# Altium PCB 3 motors 1 board.PcbDocFinal.PcbDoc (continued)
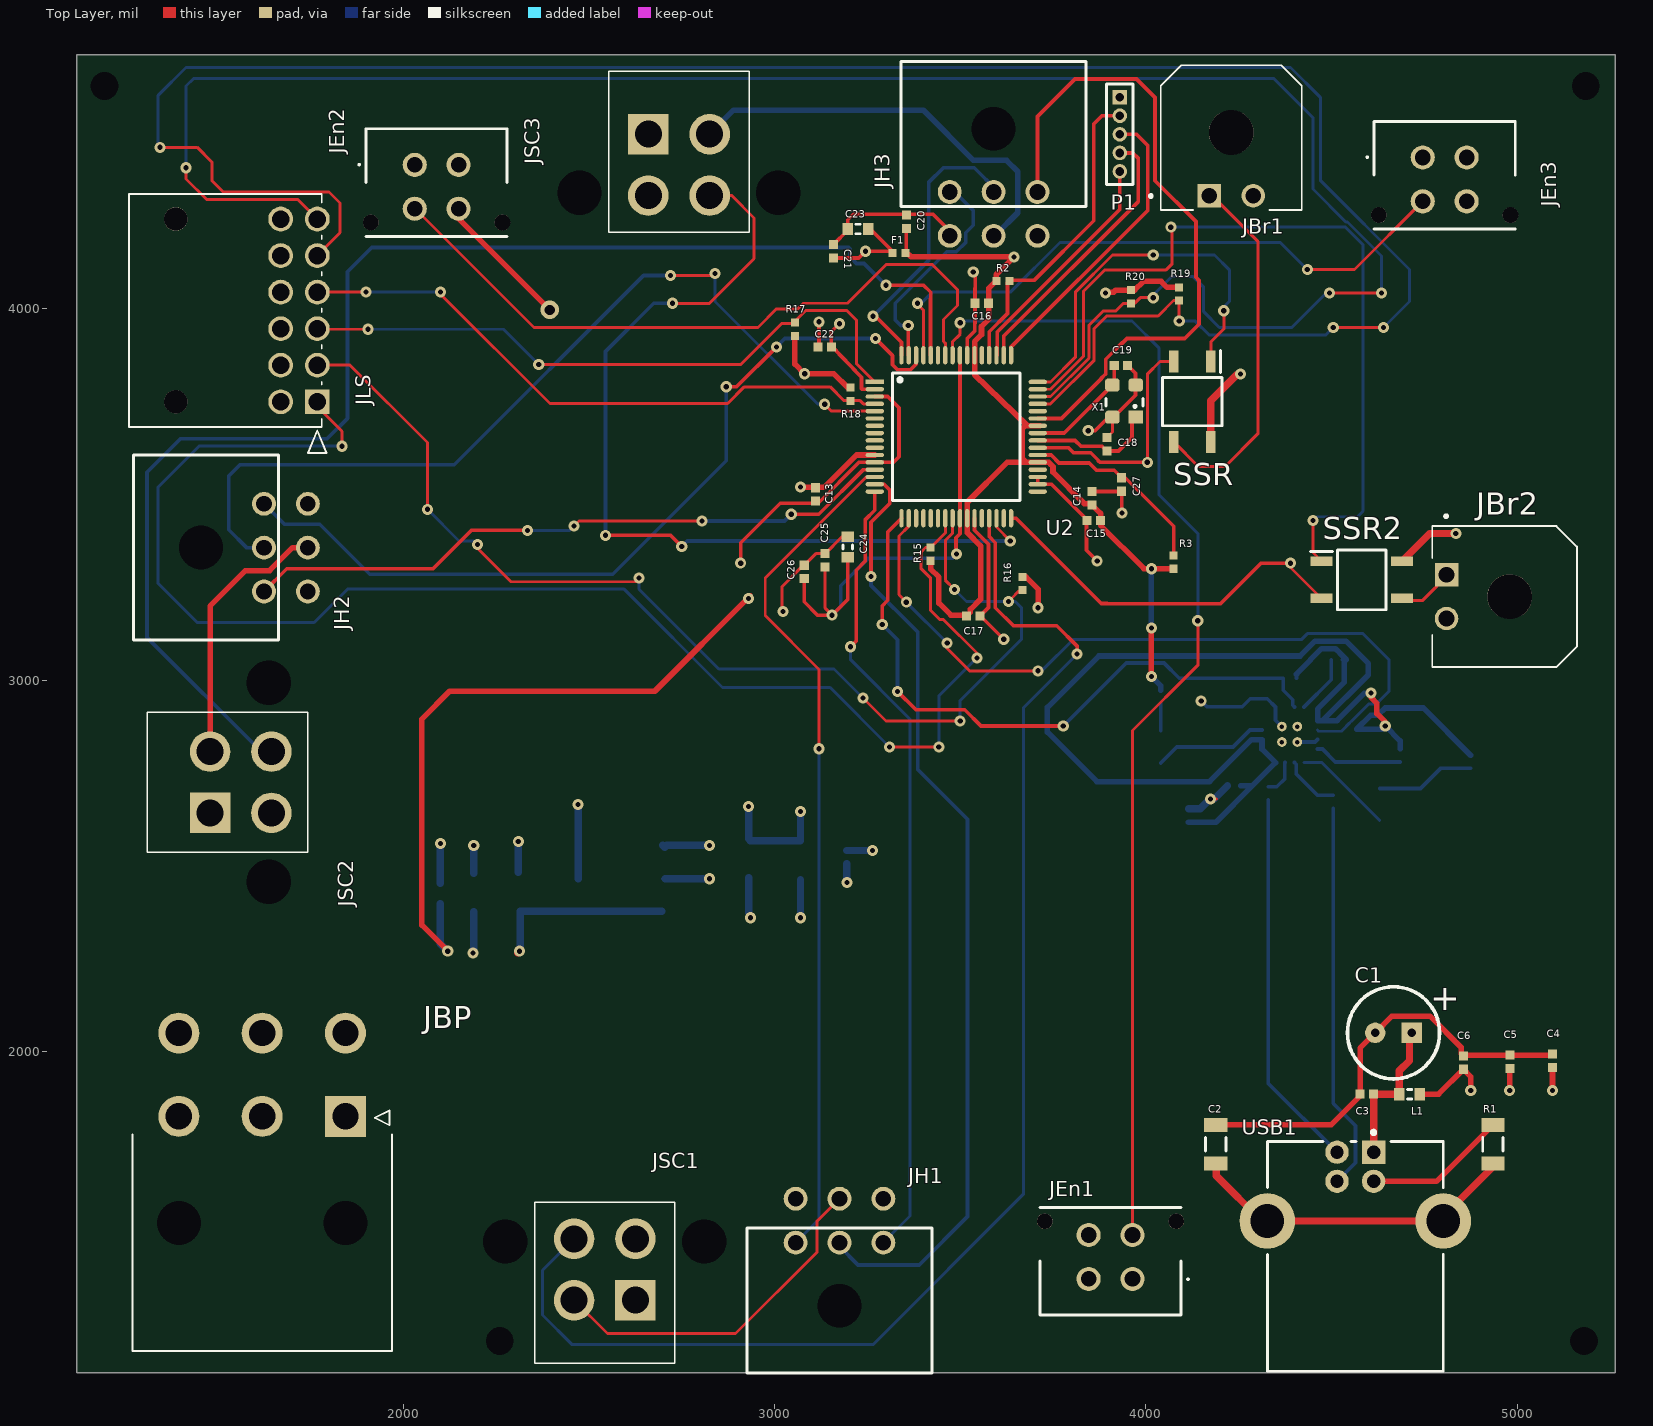
[diagram p0: Top Layer view]
## Part data (continued)
R13 R14: library part 120_1%_0402, "RES SMD 120 OHM 1% 1/10W 0402", Manufacturer="Panasonic Electronic Components", Manufacturer Part Number=ERJ-2RKF1200X, Operating Temperature="-55°C ~ 155°C", Package / Case="0402 (1005 Metric)", Power (Watts)="0.1W, 1/10W", Supplier Device Package=0402, Supplier Part Number 1=P120LCT-ND, Temperature Coefficient=±100ppm/°C, Tolerance=±1%, Category=Resistors, ComponentLink1Description=http://industrial.panasonic.com/www-cgi/jvcr13pz.cgi?E+PZ+3+AOA0002+ERJ2RKF1200X+7+WW, ComponentLink1URL=http://industrial.panasonic.com/www-cgi/jvcr13pz.cgi?E+PZ+3+AOA0002+ERJ2RKF1200X+7+WW, Composition="Thick Film", Features="Automotive AEC-Q200", Height="0.016\" (0.40mm)", Number of Terminations=2, Packaging="Cut Tape (CT)", Pricing 1="1=0.14, 50=0.0282, 100=0.0215, 250=0.01592, 500=0.01176, 1000=0.00784, 5000=0.00551 (CAD)", Resistance (Ohms)=120, RoHS="RoHS Compliant", Size / Dimension="0.039\" L x 0.020\" W (1.00mm x 0.50mm)", Stock 1=184236, Supplier 1=Digi-Key
R15 R16 R17 R18 R19 R20: library part 10k_1%_0402, "RES SMD 10K OHM 1% 1/10W 0402", Manufacturer="Panasonic Electronic Components", Manufacturer Part Number=ERJ-2RKF1002X, Operating Temperature="-55°C ~ 155°C", Package / Case="0402 (1005 Metric)", Power (Watts)="0.1W, 1/10W", Resistance (Ohms)=10k, Supplier Device Package=0402, Supplier Part Number 1=P10.0KLCT-ND, Temperature Coefficient=±100ppm/°C, Tolerance=±1%, Category=Resistors, ComponentLink1Description=http://industrial.panasonic.com/www-cgi/jvcr13pz.cgi?E+PZ+3+AOA0002+ERJ2RKF1002X+7+WW, ComponentLink1URL=http://industrial.panasonic.com/www-cgi/jvcr13pz.cgi?E+PZ+3+AOA0002+ERJ2RKF1002X+7+WW, Composition="Thick Film", Features="Automotive AEC-Q200", Height="0.016\" (0.40mm)", Number of Terminations=2, Packaging="Cut Tape (CT)", Pricing 1="1=0.14, 50=0.0282, 100=0.0215, 250=0.01592, 500=0.01176, 1000=0.00784, 5000=0.00551 (CAD)", RoHS="RoHS Compliant", Size / Dimension="0.039\" L x 0.020\" W (1.00mm x 0.50mm)", Stock 1=5818216, Supplier 1=Digi-Key
SSR SSR2: "Relay or Contactor", Manufacturer_Name="IXYS SEMICONDUCTOR", Mouser Part Number=849-CPC1017NTR, Arrow Part Number=CPC1017NTR, Arrow Price/Stock=https://www.arrow.com/en/products/cpc1017ntr/ixys, Datasheet Link=http://www.ixysic.com/home/pdfs.nsf/www/CPC1017N.pdf/$file/CPC1017N.pdf, Height=2.159mm, Manufacturer_Part_Number=CPC1017NTR, Mouser Price/Stock=https://www.mouser.co.uk/ProductDetail/IXYS-Integrated-Circuits/CPC1017NTR?qs=h2iAtNzNjMRlYN6IF%252Bl9JA%3D%3D
U1: "500 mA, Low Voltage, Low Quiescent Current LDO Regulator", Current - Limit (Min)=-, Current - Output=500mA, Manufacturer="Microchip Technology", Operating Temperature="-40°C ~ 125°C", Package / Case="TO-261-4, TO-261AA", Supplier Device Package=SOT-223-3, Supplier Part Number 1=MCP1825S-3302E/DB-ND, Voltage - Dropout (Typical)="0.21V @ 500mA", Voltage - Input="Up to 6V", Voltage - Output=3.3V, Category="Integrated Circuits (ICs)", ComponentLink1Description=http://www.microchip.com/mymicrochip/filehandler.aspx?ddocname=en531698, ComponentLink1URL=http://www.microchip.com/mymicrochip/filehandler.aspx?ddocname=en531698, Manufacturer Part Number=MCP1825S-3302E/DB, Mounting Type="Surface Mount", Number of Regulators=1, Packaging=Tube, Pricing 1="1=0.61, 10=0.51, 25=0.43, 100=0.39 (USD)", Regulator Topology="Positive Fixed", RoHS="RoHS Compliant", Stock 1=5172, Supplier 1=Digi-Key
U2: "Tiva TM4C123GH6PM Microcontroller ARM Cortex 80 MHz FPU", Supplier Part Number 1=296-35848-ND, Supplier 1=Digi-Key
U3: library part FT230XQ-R, "IC USB SERIAL BASIC UART 16QFN", Current - Supply=8mA, Manufacturer="FTDI, Future Technology Devices International Ltd", Operating Temperature="-40°C ~ 85°C", Package / Case="16-WQFN Exposed Pad", Supplier Device Package="16-QFN (4x4)", Supplier Part Number 1=768-1130-1-ND, Voltage - Supply="3.3 V ~ 5 V", Category="Integrated Circuits (ICs)", ComponentLink1Description=http://www.ftdichip.com/Support/Documents/DataSheets/ICs/DS_FT230X.pdf, ComponentLink1URL=http://www.ftdichip.com/Support/Documents/DataSheets/ICs/DS_FT230X.pdf, Function="Bridge, USB to UART", Interface=UART, Manufacturer Part Number=FT230XQ-R, Packaging="Cut Tape (CT)", Pricing 1="1=2.64, 25=2.5508, 100=2.4601, 250=2.21412, 500=1.994, 1000=1.89042, 2500=1.86128 (CAD)", Protocol=USB, RoHS="RoHS Compliant", Standards="USB 2.0", Stock 1=7567, Supplier 1=Digi-Key
USB1: library part "MOLEX 0670688010", Supplier Part Number 1=WM4064-ND, Supplier 1=Digi-Key
X1: library part 403C35E16M00000, "CRYSTAL 16MHZ 20PF SMD", ESR (Equivalent Series Resistance)="80 Ohm", Frequency=16MHz, Frequency Stability=±50ppm, Frequency Tolerance=±30ppm, Load Capacitance=20pF, Manufacturer="CTS-Frequency Controls", Operating Mode=Fundamental, Operating Temperature="-20°C ~ 70°C", Package / Case="4-SMD, No Lead (DFN, LCC)", Ratings=-, Supplier Part Number 1=CTX1293CT-ND, Category="Crystals and Oscillators", ComponentLink1Description=http://www.ctscorp.com/components/Datasheets/008-0288-0_F.pdf, ComponentLink1URL=http://www.ctscorp.com/components/Datasheets/008-0288-0_F.pdf, Height="0.031\" (0.80mm)", Manufacturer Part Number=403C35E16M00000, Mounting Type="Surface Mount", Packaging="Cut Tape (CT)", Pricing 1="1=1.07, 10=0.95, 50=0.8866, 100=0.7847, 500=0.7415, 750=0.70228, 1000=0.61988 (CAD)", RoHS="RoHS Compliant", Size / Dimension="0.126\" L x 0.098\" W (3.20mm x 2.50mm)", Stock 1=7029, Supplier 1=Digi-Key, Type="MHz Crystal"

## Free pads (board coordinates)
  round 60 hole 75: 1(1195,4600) 2(2260,1220) 3(5180,1220) 4(5185,4600)

## Via types
v1: diameter 30, hole 14, Top Layer to Bottom Layer, 105 vias
v2: diameter 50, hole 28, Top Layer to Bottom Layer, 1 vias

## Nets (pads, with @x,y where several pads share a name; then routed paths per layer and width w, separated by ;. In a path a pad name is that pad's centre, name@x,y a point inside that pad or via, vN(x,y) a via of type N, cw(c..) or ccw(c..) an arc to the next point about the centre after c; other vN are vias at no path point)
5VHS1: JH1.5 JSC1.2 | length 951.4
  Top Layer w8: JSC1.2 2550,1240 2895,1240 3115,1460 3115,1543.19 JH1.5
5VHS2: JH2.5 JSC2.2 | length 720.6
  Top Layer w15: JSC2.2 1479.65,3199.65 1575,3295 1640,3295 1701.89,3356.89 JH2.5
5VHS3: JH3.5 JSC3.2 | length 1116.4
  Bottom Layer w15: JSC3.2 2890,4535 3400.49,4535 3535.49,4400 3625,4400 3655,4370 3655,4258.78 JH3.5@3598.11,4201.89
+3.3V: C10.1 C11.1 C12.1 C13.2 C14.2 C15.2 C16.2 C17.2 C20.2 C28.2 C29.2 F1.1 R2.1 R3.1 R4.2 R5.2 R6.2 R7.2 R13.2 R14.2 R15.2 R16.2 R17.2 R18.2 R19.2 R20.2 U1.3 U2.11 U2.26 U2.37 U2.42 U2.54 U3.1 U3.8 U3.9 U3.10 | length 9427.1
  Top Layer w8: v1(3070,3520) v1@3080.15,3520 ; F1.1 F1.1@3355,4152.28 ; U2.26@3519.02,3434.69 U2.26 U2.26@3519.68,3435.36 ; R16.2 R16.2@3677.28,3277.72 ; 3675.04,3685.04 3681.27,3685.04 ; v1(4645,2876.44) v1@4645,2887.31
  Top Layer w10: F1.1@3355,4152.28 C20.2 ; U2.26@3519.02,3434.69 U2.26@3519.68,3435.36 ; 3681.27,3685.04 U2.42@3686.84,3685.04
  Top Layer w15: v1(2120,2270) 2050,2340 2050,2895 2125,2970 2677.49,2970 v1@2935,3227.51 ; R17.2 3055,3851.16 v1(3081.16,3825) 3160,3825 3197.28,3787.72 R18.2 ; v1@3080.15,3520 3134.65,3520 3220.95,3606.3 U2.11 ; F1.1@3362.08,4146.21 3368.29,4140 v1(3645,4140) 3597.28,4092.28 R2.1 ; R15.2 3420.59,3299.16 3442.5,3277.25 3442.5,3207.5 3475,3175 C17.2@3509.61,3175 ; C17.2 3527.54,3183.11 3527.54,3190.39 3555,3217.85 3555,3361.17 3519.02,3397.15 U2.26@3519.02,3434.69 ; U2.26 3519.02,3479.13 3626.5,3586.61 3678.39,3586.61 ; R2.1@3592.28,4070.79 3576.5,4055 C16.2 3576.5,3971.5 3557.39,3952.39 3557.39,3930.54 3538.7,3911.85 U2.54 3538.7,3822.61 3681.27,3685.04 ; 3675.04,3685.04 3667.72,3677.72 3667.72,3597.28 3678.39,3586.61 ; R16.2@3677.28,3277.72 3710,3245 v1(3710,3195) ; U2.42@3686.84,3685.04 U2.42 U2.42@3713.98,3685.04 ; v1(3891.8,4042.61) 3894.18,4045 3913.39,4045 3918.85,4050.47 3970,4050.47 3993.53,4074 4041.15,4074 4057.44,4057.72 R19.2 ; v1@4015,3005 v1(4015,3010) v1(4015,3140.49) ; R3.1@4073.07,3300.34 3994.66,3300.34 3878.11,3416.89 C15.2 3878.11,3448.78 C14.2 3851.58,3475.31 3834.3,3475.31 3834.3,3475.7 3750,3560 3750,3575 3744.58,3580.42 3744.58,3580.6 3738.57,3586.61 U2.37 3678.39,3586.61 ; v1@4607.5,2952.5 4622.5,2937.5 4622.5,2909.81 v1@4645,2887.31
  Top Layer w20: v1@2307.83,2265 v1(2312.83,2270)
  Bottom Layer w8: C10.1@2312.83,2375.67 C10.1@2315,2377.83 ; U1.3@2695.79,2377.83 U1.3 ; v1(3070,3520) v1@3080.2,3520 ; 4442.76,3053.11 4442.76,3054.17 ; R6.2 R6.2@4540,3055 ; v1@4593.84,2965 v1(4606.89,2965) ; v1@4636.21,2867.65 v1(4645,2876.44)
  Bottom Layer w10: R4.2 4405.83,3016.18 ; R6.2@4530,3055 R6.2
  Bottom Layer w15: v1(4015,3010) 4040,2985 R13.2 ; v1(4015,3140.49) v1(4015,3300) ; C29.2 4188.43,2616.89 4286.54,2715 ; C28.2 4286.54,2715 ; 4405.83,3016.18 4442.76,3053.11 ; 4442.76,3054.17 4473.58,3085 4510.31,3085 4523.89,3071.42 4523.89,3071.11 R6.2@4540,3055 ; R6.2 4535,2994.47 4462.59,2922.06 U3.1 U3.1@4475.96,2891.05 ; v1@4593.84,2965 4588.89,2965 4514.94,2891.05 U3.1@4475.96,2891.05 ; v1@4636.21,2867.65 R5.2 4605.99,2905.92 4625.72,2905.92 4644.8,2925 4747.72,2925 R14.2 ; v1(4645,2876.44) 4685,2836.44 R7.2 ; 4286.54,2715 U3.8 U3.9 U3.10 4284.83,2839.87 4171.51,2726.56 3868.29,2726.56 3735,2859.85 3735,2926.55 3873.45,3065 4415.73,3065 4455.73,3105 4539.17,3105 4599.37,3044.8 4599.37,3014.47 U3.1@4475.96,2891.05
  Bottom Layer w20: C12.1 2100,2290 v1(2120,2270) ; v1@2190,2277 C11.1 ; 2315,2285 2315,2377.83 U1.3@2695.79,2377.83
  other v1: 2188,2265 2930,3220
+5V: C4.2 C5.2 C6.2 C7.1 C8.1 C9.2 JEn1.4 JEn2.4 JEn3.4 L1.2 U1.1 | length 1219.3
  Top Layer w8: JEn2.4@2149.06,4242.92 JEn2.4 ; C5.2@4978.4,1951.89 4980,1953.49 C5.2 ; C4.2@5089.19,1957.99 C4.2@5095.29,1951.89
  Top Layer w15: JEn2.4@2149.06,4242.92 v2(2395,3996.98) ; L1.2 4788.4,1885 C6.2 4875,1932.18 v1(4875,1895) ; v1(4980,1895) C5.2@4980,1953.49 ; v1@5095.29,1895 C4.2@5095.29,1951.89
  Bottom Layer w8: C7.1 C7.1@2935,2567.17
  Bottom Layer w20: U1.1 2704.72,2550 2709.72,2555 v1(2825,2555) ; C7.1 v1(2930,2660) ; C7.1@2935,2567.17 C8.1 v1(3070,2646.13) ; C9.2 v1(3263.78,2541.22)
  other v1: 5095,1895
+24V: JBP.1 JBP.2 JBP.3 JSC1.3 JSC2.3 JSC3.3 SSR2.4 SSR.4 | length 385.9
  Top Layer w20: SSR.4 4175,3752.61 v1@4245,3822.61 ; SSR2.4 4765,3395 v1(4835,3395)
  other v1: 4255,3824.23
+A3.3V: C21.2 C22.2 C23.2 F1.2 U2.2 | length 509.9
  Top Layer w8: v1@3240.91,4150.91 v1(3245,4155) ; C23.2 C23.2@3257.86,4215
  Top Layer w10: C21.2 3226.89,4136.89 v1@3240.91,4150.91 ; v1(3175,3960) 3153.03,3938.03 3153.03,3900 3154.62,3898.35 3229.89,3820.06 3234.39,3815.55 3234.39,3784.95 3235.88,3783.46 U2.2 ; v1(3245,4155) 3317.86,4155 C23.2@3257.86,4215
DM: R8.1 USB1.2 | length 1025.2
  Bottom Layer w10: R8.1 4330,1913.72 USB1.2
DP: R9.1 USB1.3 | length 1067.3
  Bottom Layer w10: R9.1 4505,1860 4565,1800 4565,1700.02 USB1.3 USB1.3@4532.17,1650
ENC_PWM_A: JEn1.3 U2.57 | length 3168.8
  Top Layer w8: U2.57 3479.65,3911.45 3500,3931.81 v1(3500,3962.72) ; JEn1.3 3964.06,2864.06 4140,3040 v1(4140,3160)
  Bottom Layer w8: v1(3500,3962.72) 3504.35,3967.07 3962.93,3967.07 4035,3895 4035,3500 4140,3395 v1(4140,3160)
ENC_PWM_B: JEn2.3 U2.58 | length 1888.8
  Top Layer w8: JEn2.3@2030,4271.89 2351.89,3950 2955.2,3950 3005.2,4000 3062.67,4000 3077.7,4015.03 3196.47,4015.03 3301.44,4120 3424.02,4120 3492.6,4051.41 3492.6,4009.1 3455,3971.5 3455,3915.4 3455.28,3915.12 3455.28,3912.06 3459.96,3907.38 U2.58@3459.96,3880
  Top Layer w10: U2.58 U2.58@3459.96,3880
ENC_PWM_c: JEn3.3 U2.61 | length 1677.6
  Top Layer w8: v1@3385.47,4011.68 3400.91,3996.25 U2.61 ; v1(4435,4106.1) 4562.4,4106.1 JEn3.3
  Bottom Layer w8: v1(3385.47,4015) 3395,4015 3425,4045 3635,4045 3768.84,4178.84 4362.26,4178.84 v1(4435,4106.1)
GND: C1.2 C2.1 C3.1 C4.1 C5.1 C6.1 C7.2 C8.2 C9.1 C10.2 C11.2 C12.2 C13.1 C14.1 C15.1 C16.1 C17.1 C18.1 C19.1 C20.1 C21.1 C22.1 C23.1 C24.1 C25.1 C26.1 C27.1 C28.1 C29.1 JBP.4 JBP.5 JBP.6 JBr1.2 JBr2.2 JEn1.2 JEn2.2 JEn3.2 JH1.4 JH2.4 JH3.4 JLS.7 JLS.8 JLS.9 JLS.10 JLS.11 JLS.12 JSC1.1 JSC2.1 JSC3.1 P1.1 R1.1 SSR2.2 SSR.2 U1.2 U1.4 U2.3 U2.12 U2.27 U2.32 U2.34 U2.35 U2.39 U2.55 U3.3 U3.13 U3.17 USB1.4 X1.2 X1.4 | length 7462.8
  Top Layer w8: v1(3023.11,3185) 3020.6,3187.51 3020.6,3252.38 3077.67,3309.45 C26.1 3111.23,3340.69 C25.1 3181.76,3386.08 C24.1 ; C23.1@3197.44,4211.76 C23.1 ; v1(3535.14,4099.07) v1@3540.28,4093.93 ; 3540,4054.72 3540.28,4055 ; U2.34 U2.34@3709.95,3526.59 ; C18.1 3910,3668.11 3910,3698.39 X1.4@3900,3708.39 ; C27.1@3934.33,3508.11 C27.1 ; v1@3935,3450.71 v1(3935.71,3450) ; v1(4004.1,3586.61) 4004.1,3824.1 4038.27,3858.27 SSR.2 ; v1(4174.03,2680) 4190,2680 ; v1(4390,3315) 4390,3303.46 SSR2.2 ; C6.1 C6.1@4857.18,1990
  Top Layer w10: v1(2908.78,3315) 2908.78,3369.86 3015.57,3476.65 3117.47,3476.65 3227.43,3586.61 U2.12 3320.27,3586.61 3335,3601.34 3335,3733.7 3304.92,3763.78 U2.3 ; C22.1@3120,3906.22 v1(3120,3965) ; C21.1 C23.1@3197.44,4211.76 ; C23.1 3197.44,4240.07 3212.37,4255 3426.89,4255 JH3.4@3480,4201.89 ; U2.55 3519.02,3919.99 3538.89,3939.87 3538.89,3960.05 3540,3961.16 3540,4054.72 ; U2.27 3538.7,3403.63 3576.28,3366.05 3576.28,3195.63 C17.1 ; 3540.28,4055 v1@3540.28,4093.93 ; C17.1@3554.06,3173.41 v1(3617.47,3110) ; U2.32 3650.53,3436.02 3880.04,3206.52 3896.04,3206.52 3896.96,3205.6 4200.94,3205.6 4310.34,3315 v1(4390,3315) ; U2.35 U2.34 3745.86,3527.56 3840,3433.42 3840,3349.51 v1(3869.02,3320.5) ; U2.39 3791.54,3625.98 3805.42,3612.1 3851.89,3612.1 3873.38,3590.61 ; v1(3845,3671.85) 3863.46,3671.85 X1.4@3895,3703.39 ; C14.1 C27.1@3934.33,3508.11 ; 3872.8,3590.03 3876.21,3586.61 v1(4004.1,3586.61) ; X1.4@3900,3708.39 X1.4 3913.39,3708.39 3972.18,3767.18 3972.18,3826.43 C19.1 ; v1@3935,3450.71 C27.1 ; C6.1@4849.19,1994.21 C6.1 ; C4.1@5093.4,1990 C4.1@5095.29,1988.11
  Top Layer w15: C2.1 4499.06,1802.17 C3.1@4576.89,1880 ; C3.1 4577.18,2009.21 C1.2 4662.97,2095 4765.29,2095 4849.19,2011.1 C6.1@4849.19,1994.21 ; USB1.4 4782.83,1650 R1.1 ; C6.1@4857.18,1990 C5.1 C4.1@5093.4,1990
  Bottom Layer w8: C10.2@2312.83,2480 C10.2@2315,2482.17 ; v1@2470,2655 v1@2470.83,2654.17 ; v1(3535.14,4099.07) 3537.09,4099.07 v1@3543.89,4105.86 ; v1(3845,3671.85) v1@3845,3680 ; v1(4174.03,2680) v1@4185,2680
  Bottom Layer w10: U1.2 U1.2@2705.5,2465 ; v1@3845,3661.85 3840,3666.85 v1(3845,3671.85) ; v1(4149.07,2943.89) 4164.86,2928.11 4259.6,2928.11 4281.25,2949.77 4327.11,2949.77 U3.13 4349.4,2892.21 U3.17@4366.61,2875 ; U3.17@4408.11,2833.27 4455.99,2833.27 U3.3
  Bottom Layer w20: C12.2 v1@2100,2550 ; C11.2 v1(2190,2555) ; C10.2 v1(2310,2565) ; U1.4 v1@2470.83,2654.17 ; U1.2@2705.5,2465 v1(2825,2465) ; v1@2930,2373.55 C7.2 ; v1(3070,2360) C8.2 ; v1(3195,2455.25) C9.1 ; C29.1 4147.14,2653.11 v1(4174.03,2680) ; v1@4185,2680 C28.1
  other v1: 2935,2360 2100,2560 2470.83,2665
H1M1: JH1.3 U2.16 | length 2144.8
  Top Layer w10: v1(3205,3090) 3220.29,3105.29 3220.29,3262.47 3220,3262.76 3220,3295.9 3244,3319.9 3244,3431.63 3270,3457.63 U2.16@3270,3506.65
  Bottom Layer w8: v1(3205,3090) 3205,3054.82 3365,2894.82 3365,1556.97 JH1.3
H1M2: JH2.3 U2.13 | length 1772.9
  Top Layer w8: v1(2460,3415) 2473.63,3428.63 v1(2804.93,3428.63)
  Top Layer w10: JH2.3 1686.22,3300 2080,3300 2183.55,3403.55 v1@2340.55,3403.55 ; v1(3045,3446.65) 3119.21,3446.65 3239.49,3566.93 U2.13
  Bottom Layer w8: v1(2335,3403.36) 2448.36,3403.36 v1(2460,3415)
  Bottom Layer w10: v1@2818.63,3428.63 3026.98,3428.63 v1(3045,3446.65)
H1M3: JH3.3 U2.63 | length 596.3
  Top Layer w10: U2.63@3360,3875 v1(3360,3955)
  Bottom Layer w10: v1(3360,3955) 3340,3955 3325,3970 3325,4015 3463.6,4153.6 3489.74,4153.6 3514.98,4178.84 3514.98,4204.98 3535,4225 3535,4265 JH3.3@3480,4320
H2M1: JH1.2 U2.15 | length 2561.8
  Top Layer w10: v1(3260,3279.33) 3260,3425 3310,3475 3310,3512.5 3294.94,3527.56 U2.15
  Bottom Layer w10: JH1.2 3175,1475 3225,1425 3390,1425 3520,1555 3520,2625 3385.47,2759.53 3385.47,3129.53 3260,3255 v1(3260,3279.33)
H2M2: JH2.2 U2.5 | length 2423.1
  Top Layer w8: v1(2720,4090) 2835,4090 v1(2840,4095) ; v1(3135,3743.11) 3153.7,3724.41 U2.5
  Bottom Layer w8: v1(2840,4095) 2840,4020 3116.89,3743.11 v1(3135,3743.11)
  Bottom Layer w10: JH2.2 1578.11,3356.89 1530,3405 1530,3550 1560,3580 2137.43,3580 2647.43,4090 v1(2720,4090)
H2M3: JH3.2 U2.64 | length 791.3
  Top Layer w10: v1(3265,3980) 3271.85,3980 3341.85,3910 U2.64
  Bottom Layer w10: v1(3265,3980) 3415,4130 3415,4340 3455,4380 3538.11,4380 JH3.2@3598.11,4320 ; JH3.2@3600.31,4328.09 JH3.2@3604.07,4328.09
H3M1: JH1.1 U2.14 | length 2284.1
  Top Layer w8: v1(3120,2815) 3120,3028.78 2975,3173.78 2975,3275.32 3246.93,3547.24 U2.14
  Bottom Layer w8: JH1.1 3120,1548.19 v1(3120,2815)
H3M2: JH2.1 U2.62 | length 2301.2
  Top Layer w10: v1(2870,3790) 2897.57,3790 v1(3005,3897.43) v1@2997.57,3897.43 ; v1(3271.85,3919.99) 3317.86,3873.98 3317.86,3849.57 3331.39,3836.04 3366.19,3836.04 3381.22,3851.07 U2.62
  Bottom Layer w10: JH2.1 1680,3420 1775,3420 1910,3285 2564,3285 2870,3591 v1(2870,3790) ; v1(3005,3897.43) 3027.57,3920 v1@3271.84,3920
H3M3: JH3.1 U2.43 | length 1801.2
  Top Layer w10: JH3.1@3708.11,4319.92 3708.11,4518.11 3809,4619 3975.1,4619 4025,4569.1 4025,4345 4135,4235 4135,4085 4143.36,4076.64 4143.36,3958.36 4105,3920 3949.36,3920 3937.43,3908.07 3935.71,3908.07 3891.8,3864.16 3891.8,3823.72 3890.95,3823.72 3879.31,3812.08 3879.31,3810.82 3773.22,3704.72 U2.43
NetD1_1: D1.1 R13.1 | length 74
  Bottom Layer w10: D1.1 R13.1
NetD2_1: D2.1 R14.1 | length 267.4
  Bottom Layer w10: D2.1 4740,2708.31 4793.98,2762.28 R14.1
NetR6_1: R6.1 U3.16 | length 157.9
  Bottom Layer w10: U3.16 4499.57,3000.86 R6.1
NetR7_1: R7.1 U3.4 | length 236.8
  Bottom Layer w10: U3.4 4475.72,2814.28 4510.43,2779.57 R7.1
NetR8_2: R8.2 U3.7 | length 97.1
  Bottom Layer w10: R8.2 4352.72,2712.72 4374.57,2734.57 4374.57,2777.44 U3.7
NetR9_2: R9.2 U3.6 | length 156.2
  Bottom Layer w10: U3.6 4405.27,2773.18 4405.27,2746.93 4462.2,2690 R9.2
NO1: JLS.1 R15.1 U2.23 | length 4054.3
  Top Layer w8: JLS.1@1768.43,3734.43 1770.78,3734.43 1835,3670.2 v1(1835,3630) ; v1(3310,2820) v1(3442.5,2820) ; U2.23 3459.96,3396.32 R15.1 3406.95,3356.95 3395,3345 3395,3300 3420.59,3274.41 3420.59,3187.76 3445,3163.35 3454.39,3163.35 3545,3072.74 v1(3545,3060)
  Bottom Layer w8: v1(1835,3630) 1450,3630 1340,3520 1340,3260 1445,3155 1760,3155 1850,3245 2595.04,3245 2860.04,2980 3150,2980 v1(3310,2820) ; v1(3442.5,2820) 3442.5,2957.5 v1(3545,3060)
NO2: JLS.2 R16.1 U2.24 | length 3096.8
  Top Layer w8: JLS.2 1856.85,3848.15 2065,3640 v1(2065,3460) 2070,3460 v1@2075,3455 ; v1(2200,3365) 2200,3355 2290,3265 v1@2635,3265 ; v1(3238.43,2951.57) 3300,2890 v1(3500,2890) ; U2.24 3479.65,3395.51 3460,3375.86 3460,3269.18 v1(3485,3244.18) ; v1(3630,3211.91) 3664.05,3245.95 R16.1
  Bottom Layer w8: v1(2065,3460) 2150,3375 v1@2190,3375 ; v1(2635,3275) 2635,3245 2850,3030 3160,3030 v1(3238.43,2951.57) ; v1(3485,3244.18) 3517.27,3211.91 v1(3630,3211.91) 3648.09,3211.91 3665,3195 3665,3110 3500,2945 v1(3500,2890)
NO3: JLS.3 R17.1 U2.1 | length 1749.6
  Top Layer w8: JLS.3 1770,3945 v1(1905,3945) ; v1(2365,3850) 2908.99,3850 3018.99,3960 3048.25,3960 3083.25,3995 3195,3995 3220.29,3969.71 3220.29,3852.86 U2.1
  Bottom Layer w8: v1(1905,3945) 2270,3945 v1(2365,3850)
NO4: JLS.4 R18.1 U2.4 | length 1675.4
  Top Layer w8: JLS.4@1768.43,4029.7 1779.5,4029.7 1787.7,4037.9 1787.7,4042.61 1790.09,4045 v1(1900,4045) ; v1(2100,4045) 2100,4040.28 2395.28,3745 2873.78,3745 2918.78,3790 3150,3790 3187.39,3752.61 3230.66,3752.61 3239.17,3744.09 U2.4
  Bottom Layer w8: v1(1900,4045) v1(2100,4045)
NO5: JLS.5 R19.1 U2.45 | length 6001.3
  Top Layer w8: v1(1345,4435) 1445,4435 1485,4395 1485,4345 1515,4315 1800,4315 1830,4285 1830,4205 JLS.5 ; U2.45 3743.49,3744.09 3860.8,3861.4 3860.8,3946.81 3894.79,3980.8 4033.24,3980.8 4074.72,4022.28 R19.1 v1(4090,3966.86) ; v1(4505,3950) v1(4640,3950)
  Bottom Layer w8: v1@1340,4435 1340,4575 1415,4650 4389.83,4650 4470,4569.83 4470,4346.1 4710,4106.1 4710,4020 v1(4640,3950) ; v1(4090,3966.86) 4133.14,3966.86 4170,3930 4485,3930 v1(4505,3950)
NO6: JLS.6 R20.1 U2.46 | length 5517.5
  Top Layer w8: v1(1415,4380) 1415,4350 1470,4295 1715.28,4295 JLS.6 ; U2.46 3743.38,3763.78 3846.8,3867.2 3846.8,3955.82 3885.78,3994.8 3919.8,3994.8 3940,4015 R20.1 R20.1@3970,4015 ; R20.1@3970,4015.03 3970.36,4015.03 3985.33,4030 v1(4020,4030) ; v1(4495,4042.61) v1@4627.61,4042.61
  Bottom Layer w8: v1(1415,4380) 1415,4600 1435,4620 4345,4620 4450,4515 4450,4322.59 4538.59,4234 4543.52,4234 4635,4142.52 v1(4635,4042.61) ; v1(4020,4030) 4020,4037.61 4069.81,4087.43 4126.65,4087.43 4155.79,4058.28 4155.79,3992.28 4198.07,3950 4393.15,3950 4480,4036.85 v1@4485,4036.85
OSC0: C18.2 U2.40 X1.1 | length 336
  Top Layer w10: U2.40 3809.33,3645.67 3825.09,3629.91 3881.98,3629.91 C18.2 3926.48,3616.89 3962.99,3653.4 X1.1@3962.99,3708.39
OSC1: C19.2 U2.41 X1.3 | length 309.2
  Top Layer w10: U2.41 3780.35,3665.35 X1.3 3915,3800 C19.2
PWM1: JSC1.4 U2.29 | length 3784.1
  Top Layer w10: U2.29 3578.07,3386.89 3594.78,3370.18 3594.78,3195.22 3643.28,3146.72 3760,3146.72 3815,3091.72 v1(3815,3070)
  Bottom Layer w8: JSC1.4 2375,1410.35 2375,1290 2455,1210 3265,1210 3670,1615 3670,2925 v1(3815,3070)
PWM2: JSC2.4 U2.60 | length 3732.6
  Top Layer w10: v1(3300,4063.56) 3401.44,4063.56 3420.59,4044.41 3420.59,4028.05 3420,4027.46 3420,3875.59 U2.60
  Bottom Layer w10: JSC2.4 1617.32,2807.68 1310,3115 1310,3560 1400,3650 1795,3650 1850,3705 1850,4100 1915,4165 3200,4165 3203.08,4161.92 3203.08,4139.86 3220.66,4122.28 3241.28,4122.28 v1(3300,4063.56)
PWM3: JSC3.4 U2.30 | length 2433.1
  Top Layer w8: v1(2725.04,4015) 2825,4015 2945,4135 2945,4245 2885,4305 JSC3.4 ; U2.30 3597.76,3412.24 v1(3635,3375)
  Top Layer w10: v1(2545,3390) 2720,3390 v1(2750,3360)
  Bottom Layer w10: v1(2545,3390) 2545,3885 2675,4015 v1@2720,4015 ; v1(2750,3360) 2765,3375 v1(3635,3375)
RESET: C27.2 R3.2 U2.38 | length 524.5
  Top Layer w10: U2.38 3745.05,3606.3 3766.34,3585 3847.43,3585 3867.43,3565 3915,3565 C27.2 3944.4,3545 4075,3414.4 R3.2
SHIELD: C2.2 R1.2 USB1.5 USB1.6 | length 896.9
  Top Layer w20: C2.2@4190,1700 4190,1665 4311.69,1543.31 USB1.6 4789.02,1543.31 R1.2@4939.27,1693.56
SSRIn: SSR.1 U2.48 | length 1034.1
  Top Layer w8: U2.48 3743.15,3803.15 3811,3871 3811,4046 3910,4145 v1(4020,4145) ; SSR.1 4175,3911 4210,3946 v1(4210,3995)
  Bottom Layer w8: v1(4020,4145) 4185,4145 4225,4105 4225,4020 v1@4210,4005
SSRIn2: SSR2.1 U2.47 | length 2206.1
  Top Layer w8: U2.47 3743.26,3783.46 3832.8,3873 3832.8,4047.8 3890,4105 4055,4105 4070,4120 v1@4070,4220 ; v1(4450,3430) 4450,3343.46 SSR2.1
  Bottom Layer w8: v1(4067.39,4220) 4537.72,4220 4585,4172.72 4585,3455 4570,3440 4462.59,3440
SSROut: JBr1.1 SSR.3 | length 994
  Top Layer w8: SSR.3 4141.73,3575 4213.11,3575 4301.57,3663.46 4301.57,4181.86 JBr1.1@4170.94,4312.49
SSROut2: JBr2.1 SSR2.3 | length 125.3
  Top Layer w8: SSR2.3@4718.27,3215 4745.87,3215 JBr2.1@4814.92,3284.06
TCK: P1.2 R2.2 U2.52 | length 852.2
  Top Layer w10: U2.52@3578.07,3879.65 3578.07,3938.07 3627.72,3987.72 3627.72,4070 R2.2 3634.36,4076.64 3699.2,4076.64 3860,4237.44 3860,4498.02 3881.98,4520 P1.2
TDI: P1.4 U2.50 | length 736.4
  Top Layer w10: U2.50 3617.44,3926.9 3980,4289.46 3980,4405 3965,4420 P1.4
TDO: P1.3 U2.49 | length 804.8
  Top Layer w10: U2.49 3637.13,3897.13 4005,4265 4005,4440 3975,4470 P1.3
TMS: P1.5 U2.51 | length 645.8
  Top Layer w10: U2.51@3600,3875 3600,3937.37 3930,4267.37 P1.5 P1.5@3940,4360
"USB RX LED": D2.2 U3.5 | length 268.5
  Bottom Layer w8: U3.5 4473.83,2777.87 D2.2
"USB TX LED": D1.2 U3.11 | length 309.8
  Bottom Layer w10: D1.2 4083.31,2820 4235,2820 4280.46,2865.46 U3.11
USB_RX: R4.1 U2.17 U3.15 | length 1760.1
  Top Layer w10: v1(3290,3150) 3290,3200 3304.92,3214.92 3304.92,3399.09 U2.17 ; v1(3331.45,2969.38) 3380.83,2920 3512.43,2920 3555.98,2876.44 v1(3777.65,2876.44)
  Bottom Layer w10: v1(3290,3150) 3331.45,3108.55 v1(3331.45,2969.38) ; v1(3777.65,2876.44) 3947.39,3046.18 4048.82,3046.18 4090,3005 R4.1 4370.39,2972.47 4395.9,2946.96 4395.9,2932.16 U3.15
USB_TX: R5.1 U2.18 U3.2 | length 2024.7
  Top Layer w8: v1(3355,3210) 3335,3230 3335,3387.98 3361.54,3414.51 U2.18 ; v1(3465,3100) 3465,3085 3525,3025 v1(3710,3025)
  Bottom Layer w8: v1(3355,3210) v1(3465,3100) ; v1(3710,3025) 3720,3025 3805,3110 4420,3110 4435,3125 4585,3125 4655,3055 4655,2970 4620.49,2935.49 4600.12,2935.49 4553.11,2888.48 4552.75,2888.48 4546.89,2882.62 4546.89,2882.26 R5.1 4526.92,2862.28 4465.77,2862.28 U3.2
VBUS: C1.1 C3.2 L1.1 USB1.1 | length 399.5
  Top Layer w20: USB1.1 C3.2@4613.4,1880 ; C3.2 L1.1 4682.73,1947.44 4710.29,1975 4710.29,2043.9 C1.1
VCORE: C24.2 C25.2 C26.2 U2.25 U2.56 | length 1438.3
  Top Layer w8: C25.2 3136.37,3193.63 v1(3155,3175)
  Top Layer w10: C26.2 3080,3210.84 3115.84,3175 v1(3155,3175) 3197.44,3217.44 C24.2 ; v1@3489.02,3340 3489.02,3383.66 3499.33,3393.98 U2.25 U2.56
  Bottom Layer w10: v1(3155,3175) 3178.47,3198.47 3178.47,3254.37 3252.03,3327.93 3477.93,3327.93 v1(3490,3340)
pads on no net: JBP.7 JBP.8 JBr1. JBr2. JEn1.1 JEn1.5 JEn1.6 JEn2.1 JEn2.5 JEn2.6 JEn3.1 JEn3.5 JEn3.6 JH1.6 JH1.7 JH2.6 JH2.7 JH3.6 JH3.7 JLS.13 JLS.14 JSC1.5 JSC1.6 JSC2.5 JSC2.6 JSC3.5 JSC3.6 U2.6 U2.7 U2.8 U2.9 U2.10 U2.19 U2.20 U2.21 U2.22 U2.28 U2.31 U2.33 U2.36 U2.44 U2.53 U2.59 U3.12 U3.14

## Polygon pours and split planes (outlines as drawn)
no net on Bottom Layer "Bottom Layer-No Net" (solid, pour order 38): 4085,2655
+A3.3V on PWR "PWR-+A3.3V" (solid, pour order 75): 2966.91,4288.07 2966.91,3938.07 3436.91,3938.07 3436.91,4288.07
+24V on PWR "PWR-+24V 7" (solid, pour order 77): 1970,2200 2130,2040 2328.85,2040 2910,1458.85 2910,1165 2466.02,1165 2196.02,1435 1265,1435 1265,1855 1255,1870 1255,4570 1255,4665 1970,4665
+24V on PWR "PWR-+24V 6" (solid, pour order 79): 2690,4095 2899.75,4304.75 2899.75,4665 1265,4665 1554.08,4095
+24V on PWR "PWR-+24V" (solid, pour order 133): 4210,4360.38 4210,4050 4465,4050 4500,4085 4465,4120 4465,4360.38
+5V on PWR "PWR-+5V 3" (solid, pour order 105): 3005,2469.01 3005,1320 5140,1320 5140,2469.01
+3.3V on PWR "PWR-+3.3V 2" (solid, pour order 115): 3450,4185.7 3450,3909.15 4140.98,3909.15 4155,3923.17 4149.07,3929.1 4149.07,4185.7
+24V on PWR "PWR-+24V 2" (solid, pour order 93): 4960,3135 4210,3135 4210,4145 4960,4145
+3.3V on PWR "PWR-+3.3V" (solid, pour order 97): 3814.51,3219.5 3814.51,3025 4040,3025 4040,3219.5
+3.3V on PWR "+3.3V_L03_P058" (solid, pour order 58): 3141.74,3909.15 3224.36,3909.15 3270.96,3909.15 3317.56,3909.15 4040,3909.15 4040,3155 2840,3155 2840,3909.15
+5V on PWR "PWR-+5V 1" (solid, pour order 101): 2165,4035 2745.47,4035 2745.47,2620 2165,2620
+5V on PWR "PWR-+5V 2" (solid, pour order 107): 5140,4502.57 4480,4502.57 4485,4497.57 4485,4175.46 4990,4175.46 4990,2145 5140,2145
+3.3V on PWR "PWR-+3.3V 1" (solid, pour order 95): 3814.51,3080 4965.38,3080 4965.38,2485 3825,2485 3820,2490 3814.51,2490
+3.3V on PWR "PWR-+3.3V 3" (solid, pour order 121): 2075,2536.49 2075,2200 2404.4,2200 2405,2200.6 2405,2540 2071.49,2540
+5V on PWR "PWR-+5V" (solid, pour order 127): 2521.03,2769.68 3420,2769.68 3420,2145 2674.91,2145 2524.99,2294.92
+24V on PWR "PWR-+24V 4" (solid, pour order 89): 4470,4665 4470,4315 4405,4315 2850,4315 2850,4665
no net on Top Layer "Top Layer-No Net" (solid, pour order 131): 4730,2655
GND on GND (split plane): 5244.9,1155.1 1140.1,1155.1 1140.1,4664.9 5244.9,4664.9

## Other copper
PWR:
  pour cut-out: 2093,2590.32

## Text inside footprints (layer, text, board x,y; h text height)
C1: Top Overlay "+" at 4765.65,2111.54 h70